# Altium PCB HS2000A.2-3S.PcbDoc
Units mm, origin at the board's own origin, x right, y up, seen from the top; angles counter-clockwise.
Board outline 124 x 124 mm, 2 copper layers (TopLayer, BottomLayer), stack 1.571 mm thick; 110 components, 77 nets, 363 pads, 403 vias.
Unrouted connection lines stored in the file: 6.
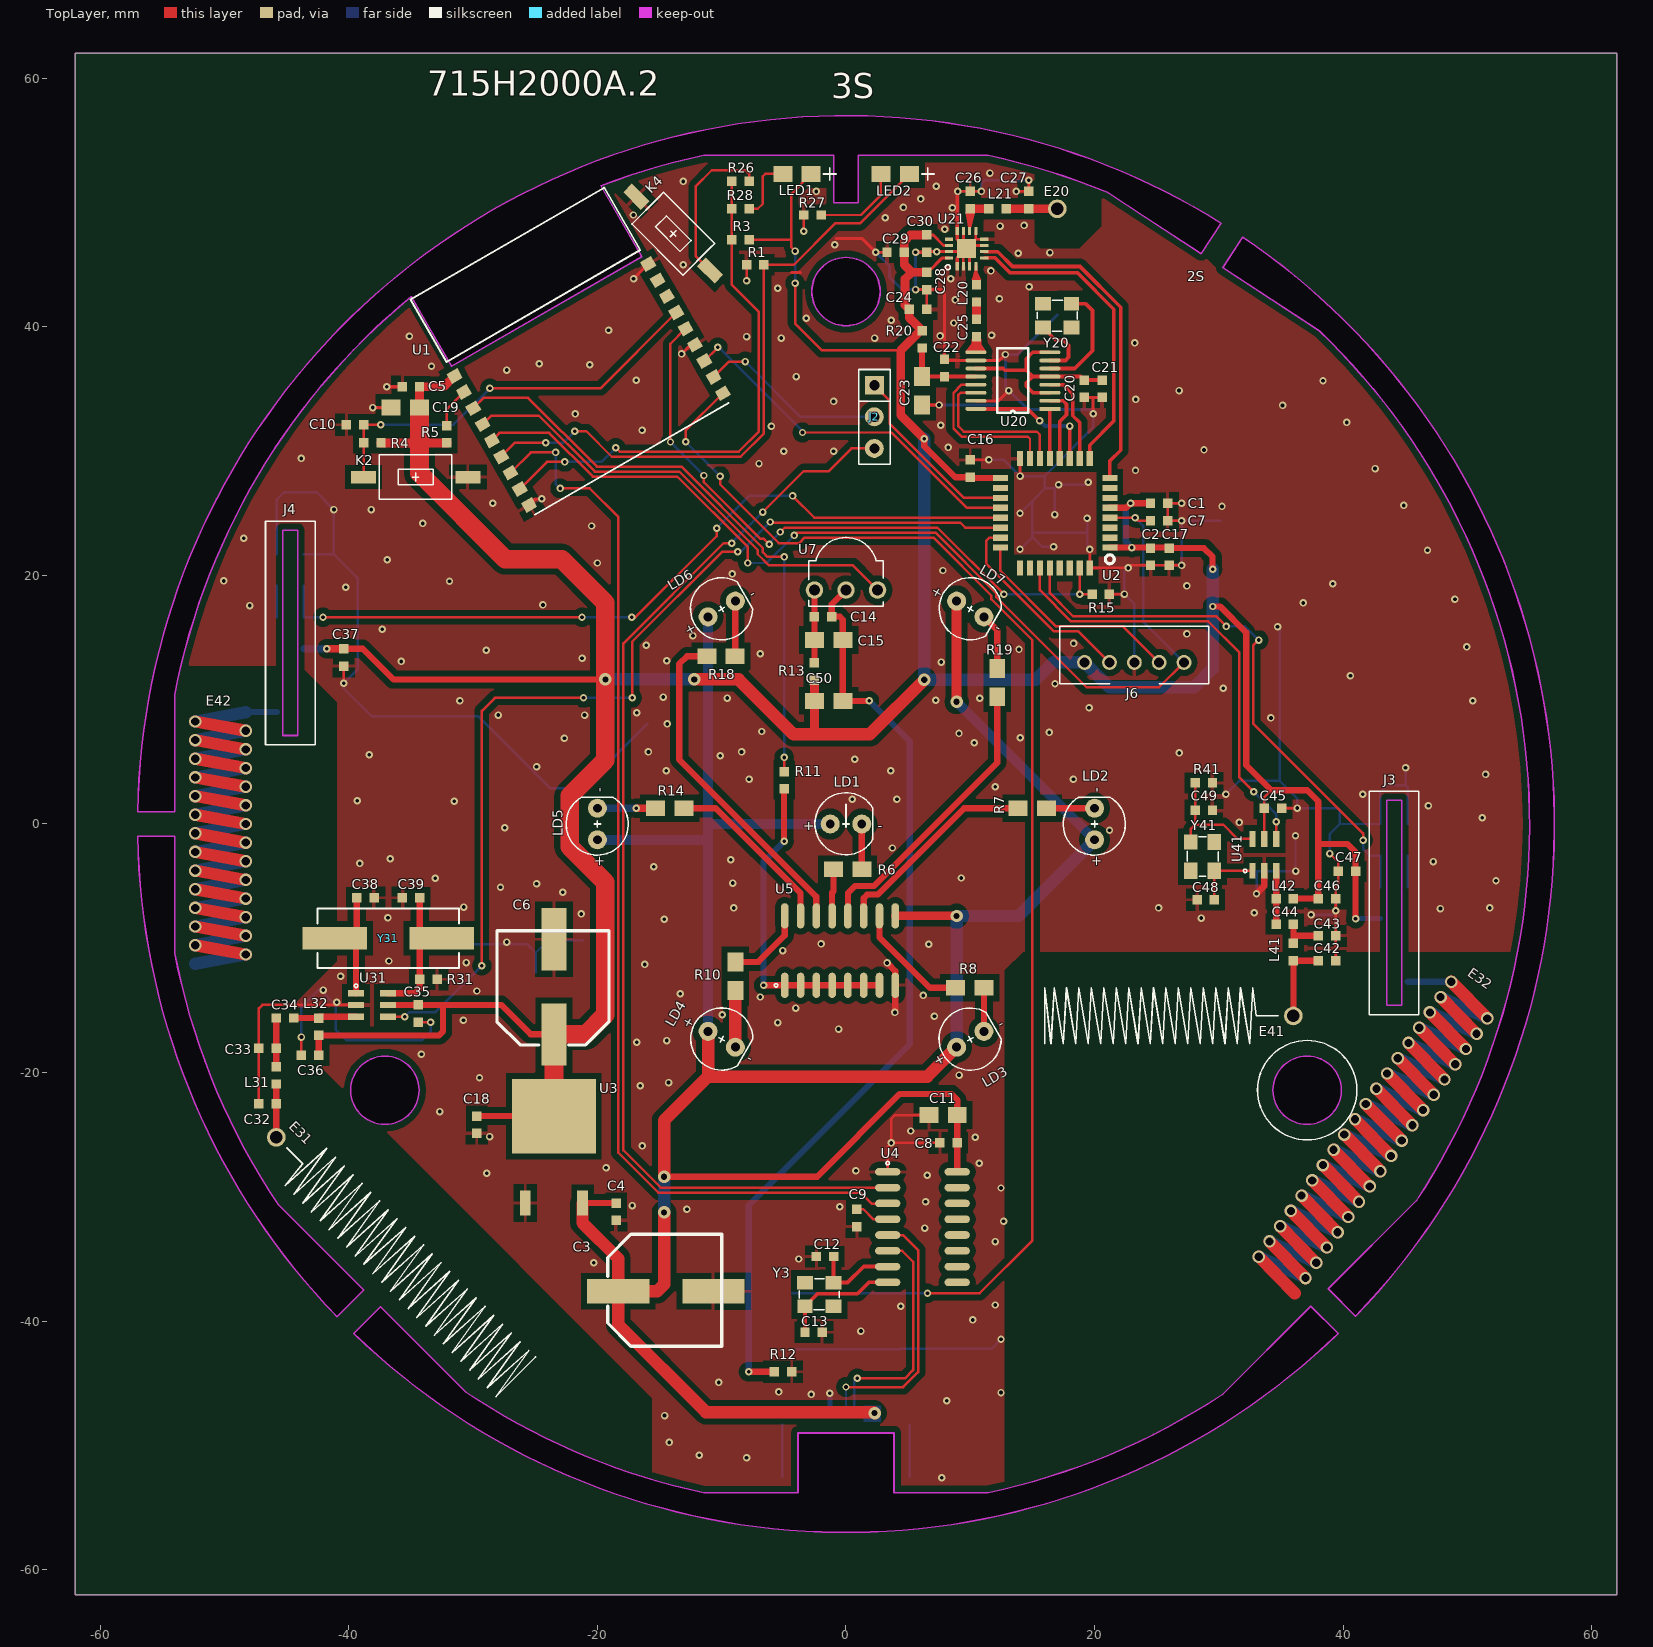
[diagram p0: TopLayer view]
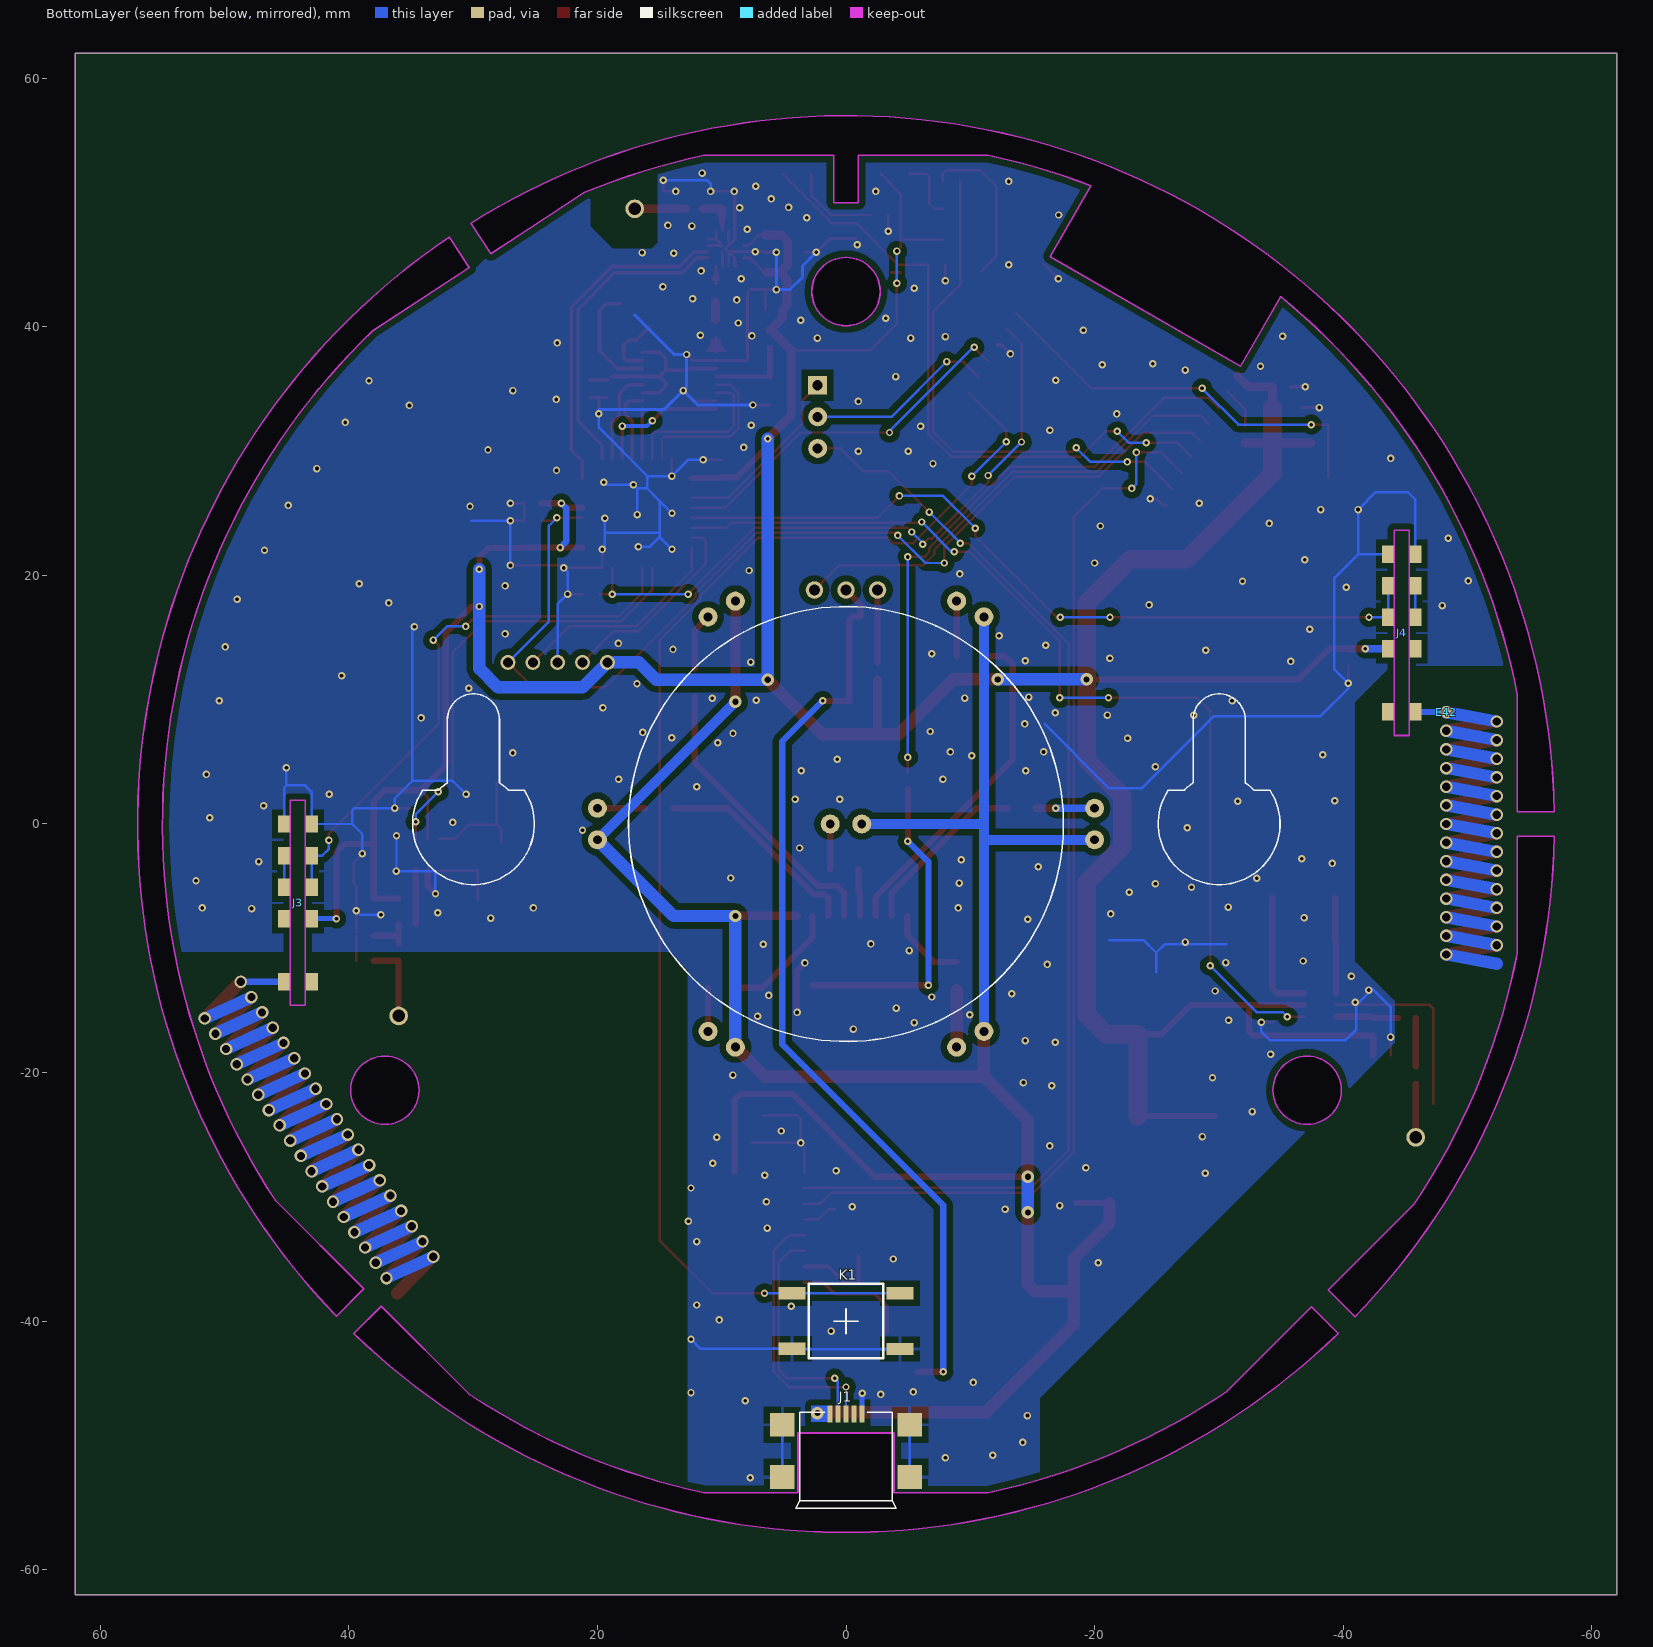
[diagram p1: BottomLayer view, seen from below]
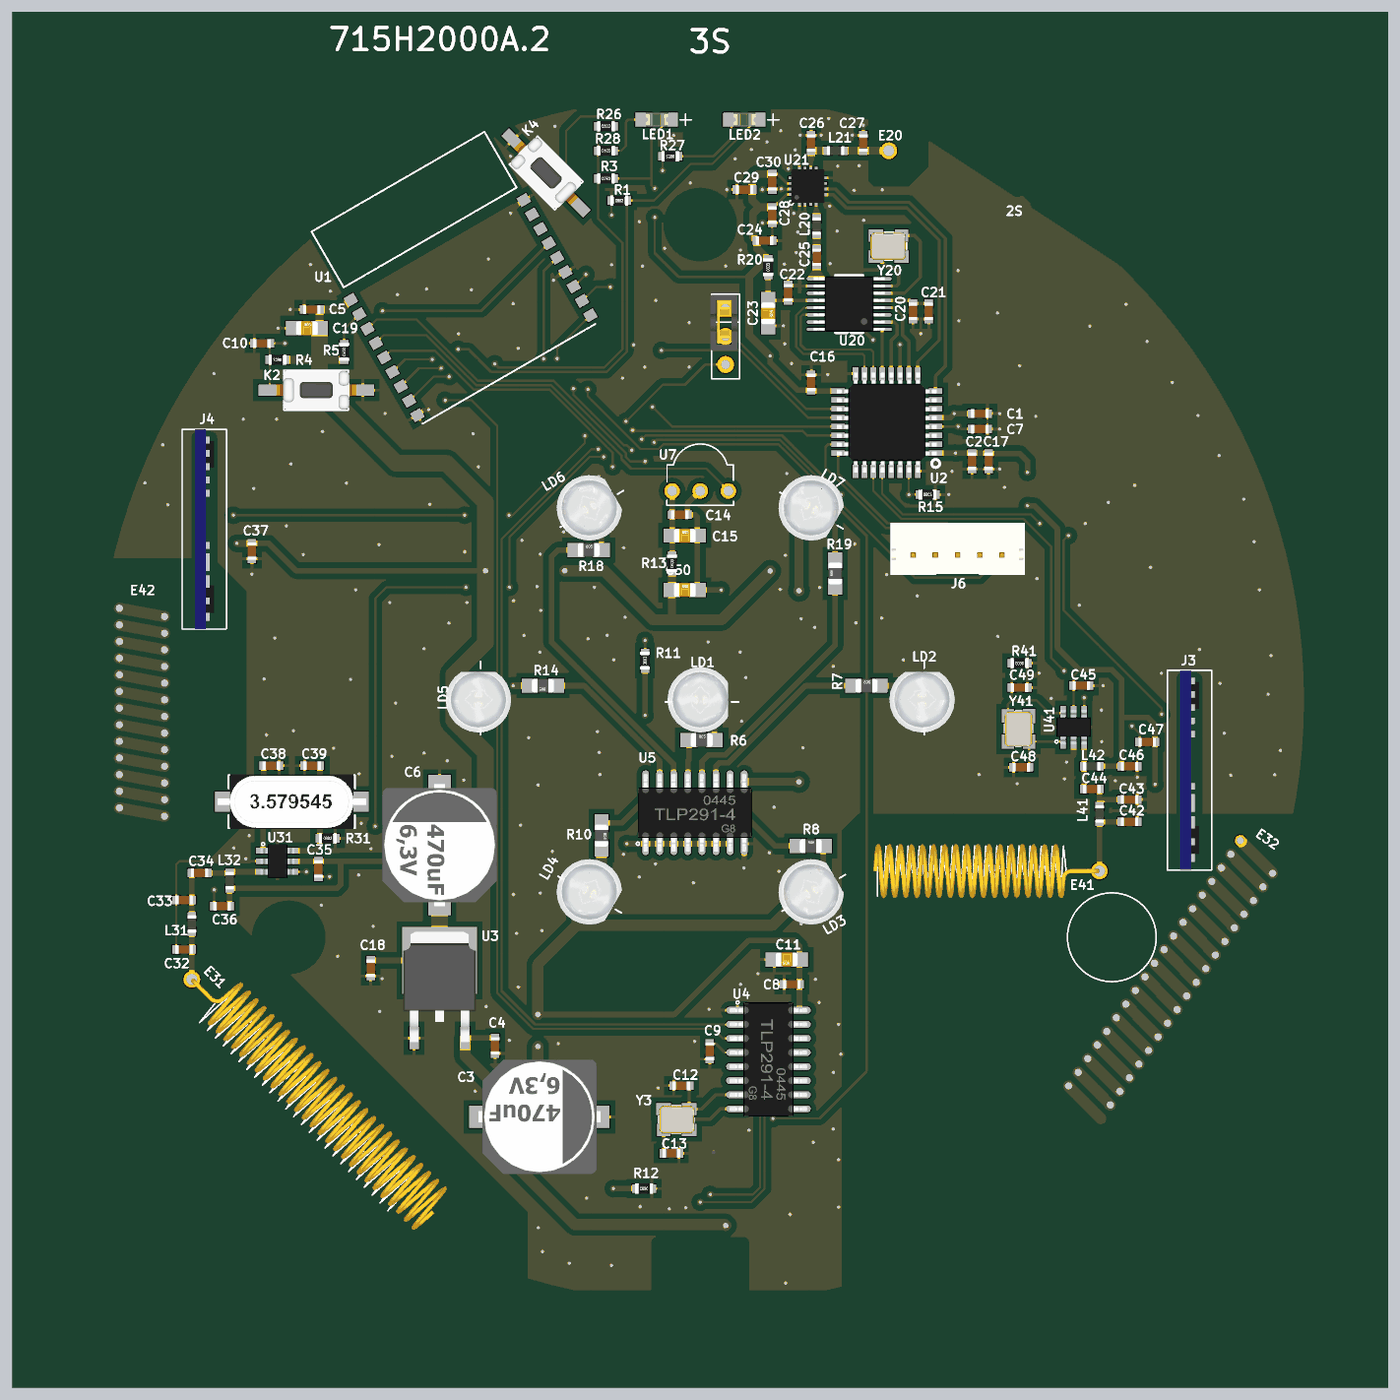
[diagram p2: 3D render of the assembled board from above, using the file's embedded part models]

## Layer stack, top to bottom
TopSolder: solder mask 0.0102, Solder Resist, Dk 3.5
TopLayer: signal copper 0.0356
Dielectric1: dielectric 1.5, FR-4, Dk 4.8
BottomLayer: signal copper 0.0356
BottomSolder: solder mask 0.0102, Solder Resist, Dk 3.5

## Board outline
-62,-62 -62,62 62,62 62,-62
cut-out: -3.861,-53.8 -3.861,-49 3.861,-49 3.861,-53.797 11.434,-53.797 11.435,-53.798 ccw(c0,0) 30.301,-45.901 30.3,-45.9 37.4,-38.8 39.6,-41 39.599,-40.999 cw(c0,0) -39.599,-40.999 -37.45,-38.85 -30.601,-45.699 -30.601,-45.701 ccw(c0,0) -11.435,-53.798 -11.433,-53.8
cut-out: -40.951,-39.649 cw(c0,0) -56.991,-1 -54,-1 -54,-10.401 -54.007,-10.401 ccw(c0,0) -45.701,-30.601 -45.7,-30.6 -41.925,-34.375 -38.8,-37.5
cut-out: -56.991,1 -54,1 -54,10.4 -54.007,10.401 cw(c0,0) -34.984,42.439 -31.741,36.821 -31.74,36.82 -16.433,45.658 -16.428,45.661 -19.71,51.347 cw(c0,0) -11.435,53.798 -1.002,53.798 -1,53.796 -1,50 1,50 1,53.798 11.435,53.798 cw(c0,0) 21.048,50.813 28.587,45.888 30.189,48.349 ccw(c0,0)
cut-out: 40.999,-39.599 ccw(c0,0) 31.926,47.22 30.321,44.755 38.079,39.686 cw(c0,0) 45.901,-30.301 45.9,-30.3 38.8,-37.4
cut-out: -2.75,42.842 ccw(c0,42.842) 0,40.092 ccw(c0,42.842) 2.75,42.842 ccw(c0,42.842) 0,45.592 ccw(c0,42.842)
cut-out: -39.852,-21.421 ccw(c-37.102,-21.421) -37.102,-24.171 ccw(c-37.102,-21.421) -34.352,-21.421 ccw(c-37.102,-21.421) -37.102,-18.671 ccw(c-37.102,-21.421)
cut-out: 34.352,-21.421 ccw(c37.102,-21.421) 37.102,-24.171 ccw(c37.102,-21.421) 39.852,-21.421 ccw(c37.102,-21.421) 37.102,-18.671 ccw(c37.102,-21.421)

## Design rules (kind name [scope] priority, off if disabled: settings)
Clearance Clearance_1 [(InPoly)] p1: gap=0.5
Clearance [All] p2: gap=0.2
FabricationTestPointUsage TestPointUsage [All] p1: valid=0 allowmultiple=FALSE
FabricationTestpoint Testpoint [All] p1: side=3 testpointundercomponent=TRUE minsize=1.016 maxsize=2.54 preferedsize=1.524 minholesize=0.508 maxholesize=1.016 preferedholesize=0.813 testpointgrid=0.025 allowsidetop=TRUE allowsidebottom=TRUE usegrid=TRUE gridtolerance=0
PolygonConnect Via [IsVia] p1: connectstyle=Direct reliefconductorwidth=0.254 reliefentries=4 polygonreliefangle="90 Angle" airgapwidth=0.254
PolygonConnect All [All] p2: connectstyle=Relief reliefconductorwidth=0.254 reliefentries=4 polygonreliefangle="90 Angle" airgapwidth=0.5
RoutingVias [All] p1: holewidth=0.711 width=1.27 viastyle="Through Hole" minholewidth=0.711 minwidth=1.27 maxholewidth=0.711 maxwidth=1.27
SolderMaskExpansion [All] p1: expansion=0.102
Width [All] p1: maxlimit=5 minlimit=0.2 preferedwidth=0.2
27 further rules are at their usual default settings.

## Components (designator, comment, footprint, x,y, rotation, side; value= is the part's Value field where it differs from the comment)
C1 "0.1uF" C0603 24.5,25.8 r0 top
C2 "0.1uF" C0603 24.5,22.2 r270 top
C3 "470uF" C9090 -14.5,-37.6 r180 top
C4 "0.1uF" C0603 -18.5,-30.5 r270 top
C5 "0.1uF" C0603 -34.315,35.179 r180 top
C6 "470uF" C9090 -23.5,-13.1 r270 top
C7 "0.1uF" C0603 24.5,24.4 r0 top
C8 "0.1uF" C0603 8.95,-25.66 r180 top
C9 "0.01uF" C0603 0.86,-31 r270 top
C10 "0.1uF" C0603 -38.811,32.131 r180 top
C11 "10uF" C0805 8.95,-23.42 r180 top
C12 "22pF" C0603 -1,-34.8 r180 top
C13 "22pF" C0603 -3.3,-40.9 r0 top
C14 "0.1uF" C0603 -2.54,16.688 r0 top
C15 "10uF" C0805 -2.54,14.808 r0 top
C16 "0.1uF" C0603 10,27.9 r90 top
C17 "4.7uF" C0603 26,22.2 r270 top
C18 "0.1uF" C0603 -29.7,-23.5 r270 top
C19 "10uF" C0805 -36.601,33.503 r0 top
C20 "4.7uF" C0603 19.175,34.325 r90 top
C21 "0.01uF" C0603 20.6,34.325 r90 top
C22 "0.1uF" C0603 7.925,36 r90 top
C23 "10uF" C0805 6.125,36 r270 top
C24 "220pF" C0603 5.1,41.4 r0 top
C25 "8.2pF" C0603 10.5,39.2 r90 top
C26 "2pF" C0603 10,50.9 r270 top
C27 "2pF" C0603 14.7,49.5 r90 top
C28 "0.01uF" C0603 6.5,44.4 r270 top
C29 "4.7uF" C0603 3.3,46 r0 top
C30 "220pF" C0603 6.5,46 r90 top
C32 "18pF" C0603 -45.84,-22.51 r180 top
C33 "8.2pF" C0603 -45.84,-18.05 r180 top
C34 "220pF" C0603 -44.44,-15.61 r180 top
C35 "4.7uF" C0603 -34.42,-14.56 r270 top
C36 "0.1uF" C0603 -42.42,-18.61 r180 top
C37 "0.1uF" C0603 -40.42,14.1 r270 top
C38 "22pF" C0603 -37.973,-5.944 r180 top
C39 "22pF" C0603 -35.687,-5.944 r0 top
C42 "8.2pF" C0603 38,-11 r0 top
C43 "4.7pF" C0603 38,-9 r0 top
C44 "220pF" C0603 34.6,-8.05 r0 top
C45 "4.7uF" C0603 33.66,1.28 r0 top
C46 "0.1uF" C0603 38,-6 r0 top
C47 "0.1uF" C0603 41,-3.82 r180 top
C48 "18pF" C0603 28.245,-6.096 r0 top
C49 "18pF" C0603 29.489,1.092 r180 top
C50 "10uF" C0805 -2.54,9.906 r0 top
E20 "2.4G" ANT-24G 17,49.5 r90 top
E31 "315MHz" ANT-315 -45.84,-25.21 r135 top
E32 "315MHz" ANT-315-PCB1 48.7,-12.7 r235 top
E41 "433MHz" ANT-433 35.992,-15.443 r0 top
E42 "433MHz" ANT-433-PCB2 -48.3,9 r270 bottom
J1 "Power" USB-MICRO4 0,-50 r180 bottom locked
J2 "CON3" SIP-3 2.28,35.3 r270 top
J3 "H3V3E" H3V4F 43,0 r270 top
J4 "H3V4F" H3V4F -45.81,21.72 r270 top
J6 "CON5" CH2.0-5Y 19.2,13 r0 top
K1 "SET" BUTTON3 0,-40 r180 bottom locked
K2 "RST" BUTTON4 -34.62,27.915 r0 top
K4 "BOOT" BUTTON4 -13.9,47.5 r135 top
L20 "2.7nH" L0603 10.5,42 r90 top
L21 "1.5nH" L0603 11.5,49.5 r0 top
L31 "33nH" L0603 -45.84,-20.92 r90 top
L32 "180nH" L0603 -42.42,-17.01 r90 top
L41 "27nH" L0603 36,-11 r90 top
L42 "180nH" L0603 36,-6 r180 top
LD1 "IR383" LED5MM-W-12MM 0,0 r0 top
LD2 "IR383" LED5MM-W-12MM 20,0 r90 top
LD3 "IR383" LED5MM-W-12MM 10,-17.321 r30 top
LD4 "IR383" LED5MM-W-12MM -10,-17.321 r330 top
LD5 "IR383" LED5MM-W-12MM -20,0 r90 top
LD6 "IR383" LED5MM-W-12MM -10,17.3 r30 top
LD7 "IR383" LED5MM-W-12MM 10,17.3 r330 top
LED1 "LED" LED0805 -2.8,52.3 r180 top
LED2 "LED" LED0805 5.1,52.3 r180 top
R1 "10K" R0603 -8,45 r0 top
R3 "10K" R0603 -7.8,47 r180 top
R4 "10K" R0603 -37.414,30.658 r180 top
R5 "100R" R0603 -32.106,30.658 r90 top
R6 "10R" R0805 -1.016,-3.632 r0 top
R7 "10R" R0805 13.843,1.27 r0 top
R8 "10R" R0805 8.814,-13.183 r0 top
R10 "10R" R0805 -8.9,-11.1 r270 top
R11 "1K" R0603 -4.978,2.819 r90 top
R12 "0R" R0603 -4.369,-44.069 r180 top
R13 "100R" R0603 -2.54,11.582 r90 top
R14 "10R" R0805 -13.03,1.27 r180 top
R15 "10K" R0603 19.8,18.5 r0 top
R18 "10R" R0805 -11.2,13.5 r0 top
R19 "10R" R0805 12.167,10.236 r90 top
R20 "10R" R0603 6.125,38.3 r90 top
R26 "100R" R0603 -9.2,51.7 r0 top
R27 "4.7K" R0603 -2,49 r180 top
R28 "1K" R0603 -9.2,49.5 r0 top
R31 "560K" R0603 -34.29,-12.497 r0 top
R41 "560K" R0603 29.489,3.302 r180 top
U1 "ESP-13" ESP-13 -20.701,35.357 r30 top
U2 "STM32F030K" LQFP-32 16.825,25 r180 top
U3 "AMS1117CD-3.3" TO-252 -25.8,-30.5 r0 top
U4 "CH340G" SOP-16 6.151,-32.436 r0 top
U5 "ULN2003" SOP-16 -0.483,-10.185 r90 top
U7 "IRM-3638M" IR1838 0,18.821 r180 top
U20 "LT8910" SSOP-16 16.4,33.4 r180 top
U21 "RFX2401C" QFN-16 9.7,46.3 r90 top
U31 "PT4455" SOT-23-6 -39.42,-13.61 r270 top
U41 "PT4455" SOT-23-6 32.71,-3.77 r0 top
Y3 "12MHz" JT3225A -1,-36.9 r180 top
Y20 "12MHz" JT3225A 15.85,39.95 r0 top
Y31 "9.84375MHz" JT49SMD -36.83,-9.195 r0 top
Y41 "13.56MHz" JT3225WY 29.642,-3.759 r90 top

## Footprints (in the part's own frame and the unit in brackets; to place one, negate y for a bottom-side part, rotate by r counter-clockwise, add the part's x,y. Pads: shape width x height; smd on the part's side, far side on the other; paste and mask are expansions set on the pad)
ANT-24G [mm]
  round 1.5 hole 1: 1(0,0)
ANT-315 [mm]
  round 1.5 hole 1: 1(0,0)
  silkscreen extent -27.25,-2.25 -1.2,2.25, body extent -30.41,-3.01 0.02,1.88, height 6.02
ANT-315-PCB1 [mm]
  round 1 hole 0.66: 1(0,0)
  TopLayer lines w1: 27,0 27.75,4.064 ; 25.5,0 26.25,4.064 ; 24,0 24.75,4.064 ; 22.5,0 23.25,4.064 ; 21,0 21.75,4.064 ; 19.5,0 20.25,4.064 ; 18,0 18.75,4.064 ; 16.5,0 17.25,4.064 ; 15,0 15.75,4.064 ; 13.5,0 14.25,4.064 ; 12,0 12.75,4.064 ; 10.5,0 11.25,4.064 ; 9,0 9.75,4.064 ; 7.5,0 8.25,4.064 ; 6,0 6.75,4.064 ; 4.5,0 5.25,4.064 ; 3,0 3.75,4.064 ; 1.5,0 2.25,4.064 ; 0,0 0.75,4.064
  BottomLayer lines w1: 27,0 26.25,4.064 ; 25.5,0 24.75,4.064 ; 24,0 23.25,4.064 ; 22.5,0 21.75,4.064 ; 21,0 20.25,4.064 ; 19.5,0 18.75,4.064 ; 18,0 17.25,4.064 ; 16.5,0 15.75,4.064 ; 15,0 14.25,4.064 ; 13.5,0 12.75,4.064 ; 12,0 11.25,4.064 ; 10.5,0 9.75,4.064 ; 9,0 8.25,4.064 ; 7.5,0 6.75,4.064 ; 6,0 5.25,4.064 ; 4.5,0 3.75,4.064 ; 3,0 2.25,4.064 ; 1.5,0 0.75,4.064
ANT-433 [mm]
  round 1.5 hole 1: 1(0,0)
  silkscreen extent -20,-2.25 -1.2,2.25, body extent -20.4,-2.44 0,2.44, height 5.64
ANT-433-PCB2 [mm]
  round 1 smd: 1(0,0)
  TopLayer lines w1: 20.25,4.064 19.5,0 ; 18.75,4.064 18,0 ; 17.25,4.064 16.5,0 ; 15.75,4.064 15,0 ; 14.25,4.064 13.5,0 ; 12.75,4.064 12,0 ; 11.25,4.064 10.5,0 ; 9.75,4.064 9,0 ; 8.25,4.064 7.5,0 ; 6.75,4.064 6,0 ; 5.25,4.064 4.5,0 ; 3.75,4.064 3,0 ; 2.25,4.064 1.5,0 ; 0.75,4.064 0,0
  BottomLayer lines w1: 18.75,4.064 19.5,0 ; 17.25,4.064 18,0 ; 15.75,4.064 16.5,0 ; 14.25,4.064 15,0 ; 12.75,4.064 13.5,0 ; 11.25,4.064 12,0 ; 9.75,4.064 10.5,0 ; 8.25,4.064 9,0 ; 6.75,4.064 7.5,0 ; 5.25,4.064 6,0 ; 3.75,4.064 4.5,0 ; 2.25,4.064 3,0 ; 0.75,4.064 1.5,0
BUTTON3 [mm]
  rect 2.2x1 smd: 1(-4.344,-2.231) 1(4.344,-2.244) 2(-4.344,2.244) 2(4.344,2.231)
  silkscreen extent -3,-3 3,3, body extent -5.1,-3.1 5.1,3.1, height 6.99
BUTTON4 [mm]
  rect 2x1 smd: 1(-4.2,0) 2(4.2,0)
  silkscreen extent -2.92,-1.8 2.9,1.8, body extent -3.6,-1.75 3.6,1.75, height 5
C0603 [mil]
  rect 30x30 smd: 1(0,0) 2(55,0)
  body extent -4,-16 59,16, height 24
C0805 [mil]
  rect 60x50 smd: 1(0,0) 2(90,0)
  body extent 6,-25 85,25, height 31
C9090 [mm]
  rect 5x2 smd: 1(3.825,0) 2(-3.825,0)
  silkscreen extent -4.5,-4.59 4.67,4.42, body extent -5.5,-5.15 5.5,5.15, height 7.9
CH2.0-5Y [mm]
  round 1.2 hole 0.8: 1(0,0) 2(2,0) 3(4,0) 4(6,0) 5(8,0)
  silkscreen extent -2,-1.7 10,2.9, body extent -1.95,-1.67 9.95,2.83, height 6
ESP-13 [mm]
  rect 1x0.9 smd: 1(-9,6) 2(-9,4.5) 3(-9,3) 4(-9,1.5) 5(-9,0) 6(-9,-1.5) 7(-9,-3) 8(-9,-4.5) 9(-9,-6) 10(9,-6) 11(9,-4.5) 12(9,-3) 13(9,-1.5) 14(9,0) 15(9,1.5) 16(9,3) 17(9,4.5) 18(9,6)
  silkscreen extent -9,-6.9 9,13.1
H3V4F [mm]
  rect 1.4x1 smd far side: 1(0,2.2) 1(0,0) 2(2.54,2.2) 2(2.54,0) 3(5.08,2.2) 3(5.08,0) 4(7.62,0) 4(7.62,2.2) 5(12.7,0) 5(12.7,2.2)
  KeepOutLayer lines w0.127: 14.6,0.5 14.6,1.7 -1.9,1.7 -1.9,0.5 14.6,0.5
  silkscreen extent -2.65,-0.9 15.35,3.1, body extent -2.65,0.25 15.35,2, height 9.1
IR1838 [mm]
  round 1.4 hole 0.9: 1(-2.54,0) 2(0,0) 3(2.54,0)
  silkscreen extent -3,-4.24 3,1.3
JT49SMD [mm]
  rect 5.2x1.8 smd: 1(-4.318,0) 2(4.318,0)
  silkscreen extent -5.7,-2.4 5.7,2.4, body extent -6.7,-2.45 6.7,2.45, height 4.42
JT3225A [mm]
  rect 1.3x1.1 smd: 1(0,0) 2(2.3,0) 4(0,1.9)
  rect 1.2x1.1 smd: 3(2.3,1.9)
  silkscreen extent -0.45,-0.3 2.75,2.2, body extent -0.5,-0.3 2.7,2.2, height 0.6
JT3225WY [mm]
  rect 1.3x1.1 smd: 1(0,0) 3(2.3,0) 4(0,1.9)
  rect 1.2x1.1 smd: 2(2.3,1.9)
  silkscreen extent -0.45,-0.3 2.75,2.2, body extent -0.5,-0.3 2.7,2.2, height 0.6
L0603 [mil]
  rect 30x30 smd: 1(0,0) 2(55,0)
  body extent -4,-16 59,16, height 35
LED5MM-W-12MM [mil]
  round 60 hole 28: 1(-50,0) 2(50,0)
  silkscreen extent -99,-98 85,99, body extent -116,-116 98,116, height 797
LED0805 [mil]
  rect 60x50 smd: 1(0,0) 2(90,0)
  silkscreen extent -79,-20 -39,20, body extent 4,-25 83,25, height 43
LQFP-32 [mm]
  rect 1.2x0.5 smd: 1(-4.4,2.76) 2(-4.4,1.96) 3(-4.4,1.16) 4(-4.4,0.36) 5(-4.4,-0.44) 6(-4.4,-1.24) 7(-4.4,-2.04) 8(-4.4,-2.84) 17(4.4,-2.84) 18(4.4,-2.04) 19(4.4,-1.24) 20(4.4,-0.44) 21(4.4,0.36) 22(4.4,1.16) 23(4.4,1.96) 24(4.4,2.76)
  rect 0.5x1.2 smd: 9(-2.78,-4.4) 10(-1.98,-4.4) 11(-1.18,-4.4) 12(-0.38,-4.4) 13(0.42,-4.4) 14(1.22,-4.4) 15(2.02,-4.4) 16(2.82,-4.4) 25(2.82,4.4) 26(2.02,4.4) 27(1.22,4.4) 28(0.42,4.4) 29(-0.38,4.4) 30(-1.18,4.4) 31(-1.98,4.4) 32(-2.78,4.4)
  silkscreen extent -4.76,3.34 -4.04,4.06, body extent -4.5,-4.5 4.5,4.5, height 1.5
QFN-16 [mm]
  rect 0.65x0.25 smd: 1(-1.425,0.75) 2(-1.425,0.25) 3(-1.425,-0.25) 4(-1.425,-0.75) 9(1.425,-0.75) 10(1.425,-0.25) 11(1.425,0.25) 12(1.425,0.75)
  rect 0.25x0.65 smd: 5(-0.75,-1.425) 6(-0.25,-1.425) 7(0.25,-1.425) 8(0.75,-1.425) 13(0.75,1.425) 14(0.25,1.425) 15(-0.25,1.425) 16(-0.75,1.425)
  rect 1.5x1.5 smd: 17(0,0)
  silkscreen extent -1.7,1.3 -1.3,1.7, body extent -1.5,-1.5 1.5,1.5, height 0.9
R0603 [mil]
  rect 30x30 smd: 1(0,0) 2(55,0)
  body extent -4,-18 59,18, height 20
R0805 [mil]
  rect 60x50 smd: 1(0,0) 2(90,0)
  body extent 6,-25 85,25, height 31
SIP-3 [mil]
  rect 60x60 hole 32: 1(0,0)
  round 60 hole 32: 2(100,0) 3(200,0)
  silkscreen extent -50,-50 250,50, body extent -47,-53 242,46, height 327
SOP-16 [mil]
  oval 80x24 smd: 1(-110,175) 2(-110,125) 3(-110,75) 4(-110,25) 5(-110,-25) 6(-110,-75) 7(-110,-125) 8(-110,-175) 9(110,-175) 10(110,-125) 11(110,-75) 12(110,-25) 13(110,25) 14(110,75) 15(110,125) 16(110,175)
  silkscreen extent -116,197 -104,208, body extent -138,-203 138,203, height 83
SOT-23-6 [mm]
  rect 0.508x1.27 smd: 1(0,0) 2(0.95,0) 3(1.9,0) 4(1.9,2.565) 5(0.95,2.565) 6(0,2.565)
  silkscreen extent -0.74,-0.14 -0.45,0.14, body extent -0.6,-0.22 2.5,2.84, height 1.45
SSOP-16 [mm]
  rect 1.7x0.3 smd: 1(0,0)
  oval 1.7x0.3 smd: 2(0,-0.65) 3(0,-1.3) 4(0,-1.95) 5(0,-2.6) 6(0,-3.25) 7(0,-3.9) 8(0,-4.55) 9(5.95,-4.55) 10(5.95,-3.9) 11(5.95,-3.25) 12(5.95,-2.6) 13(5.95,-1.95) 14(5.95,-1.3) 15(5.95,-0.65) 16(5.95,0)
  silkscreen extent 1.72,-4.88 4.23,0.32, body extent -0.23,-4.79 6.17,0.21, height 1
TO-252 [mm]
  rect 0.85x2 smd: 1(0,0) 3(4.6,0)
  rect 6.73x6 smd: 2(2.3,7)
  body extent -0.97,-0.36 5.57,9.58, height 2.44
USB-MICRO4 [mm]
  rect 0.4x1.35 smd: 1(-1.3,2.538) 2(-0.65,2.538) 3(0,2.538) 4(0.65,2.538) 5(1.3,2.538)
  rect 2x1.9 smd: 6(-5.131,-2.54) 7(-5.131,1.651) 8(5.131,1.651) 9(5.131,-2.54)